# KiCad board IchnaeaV2.kicad_pcb (continued)
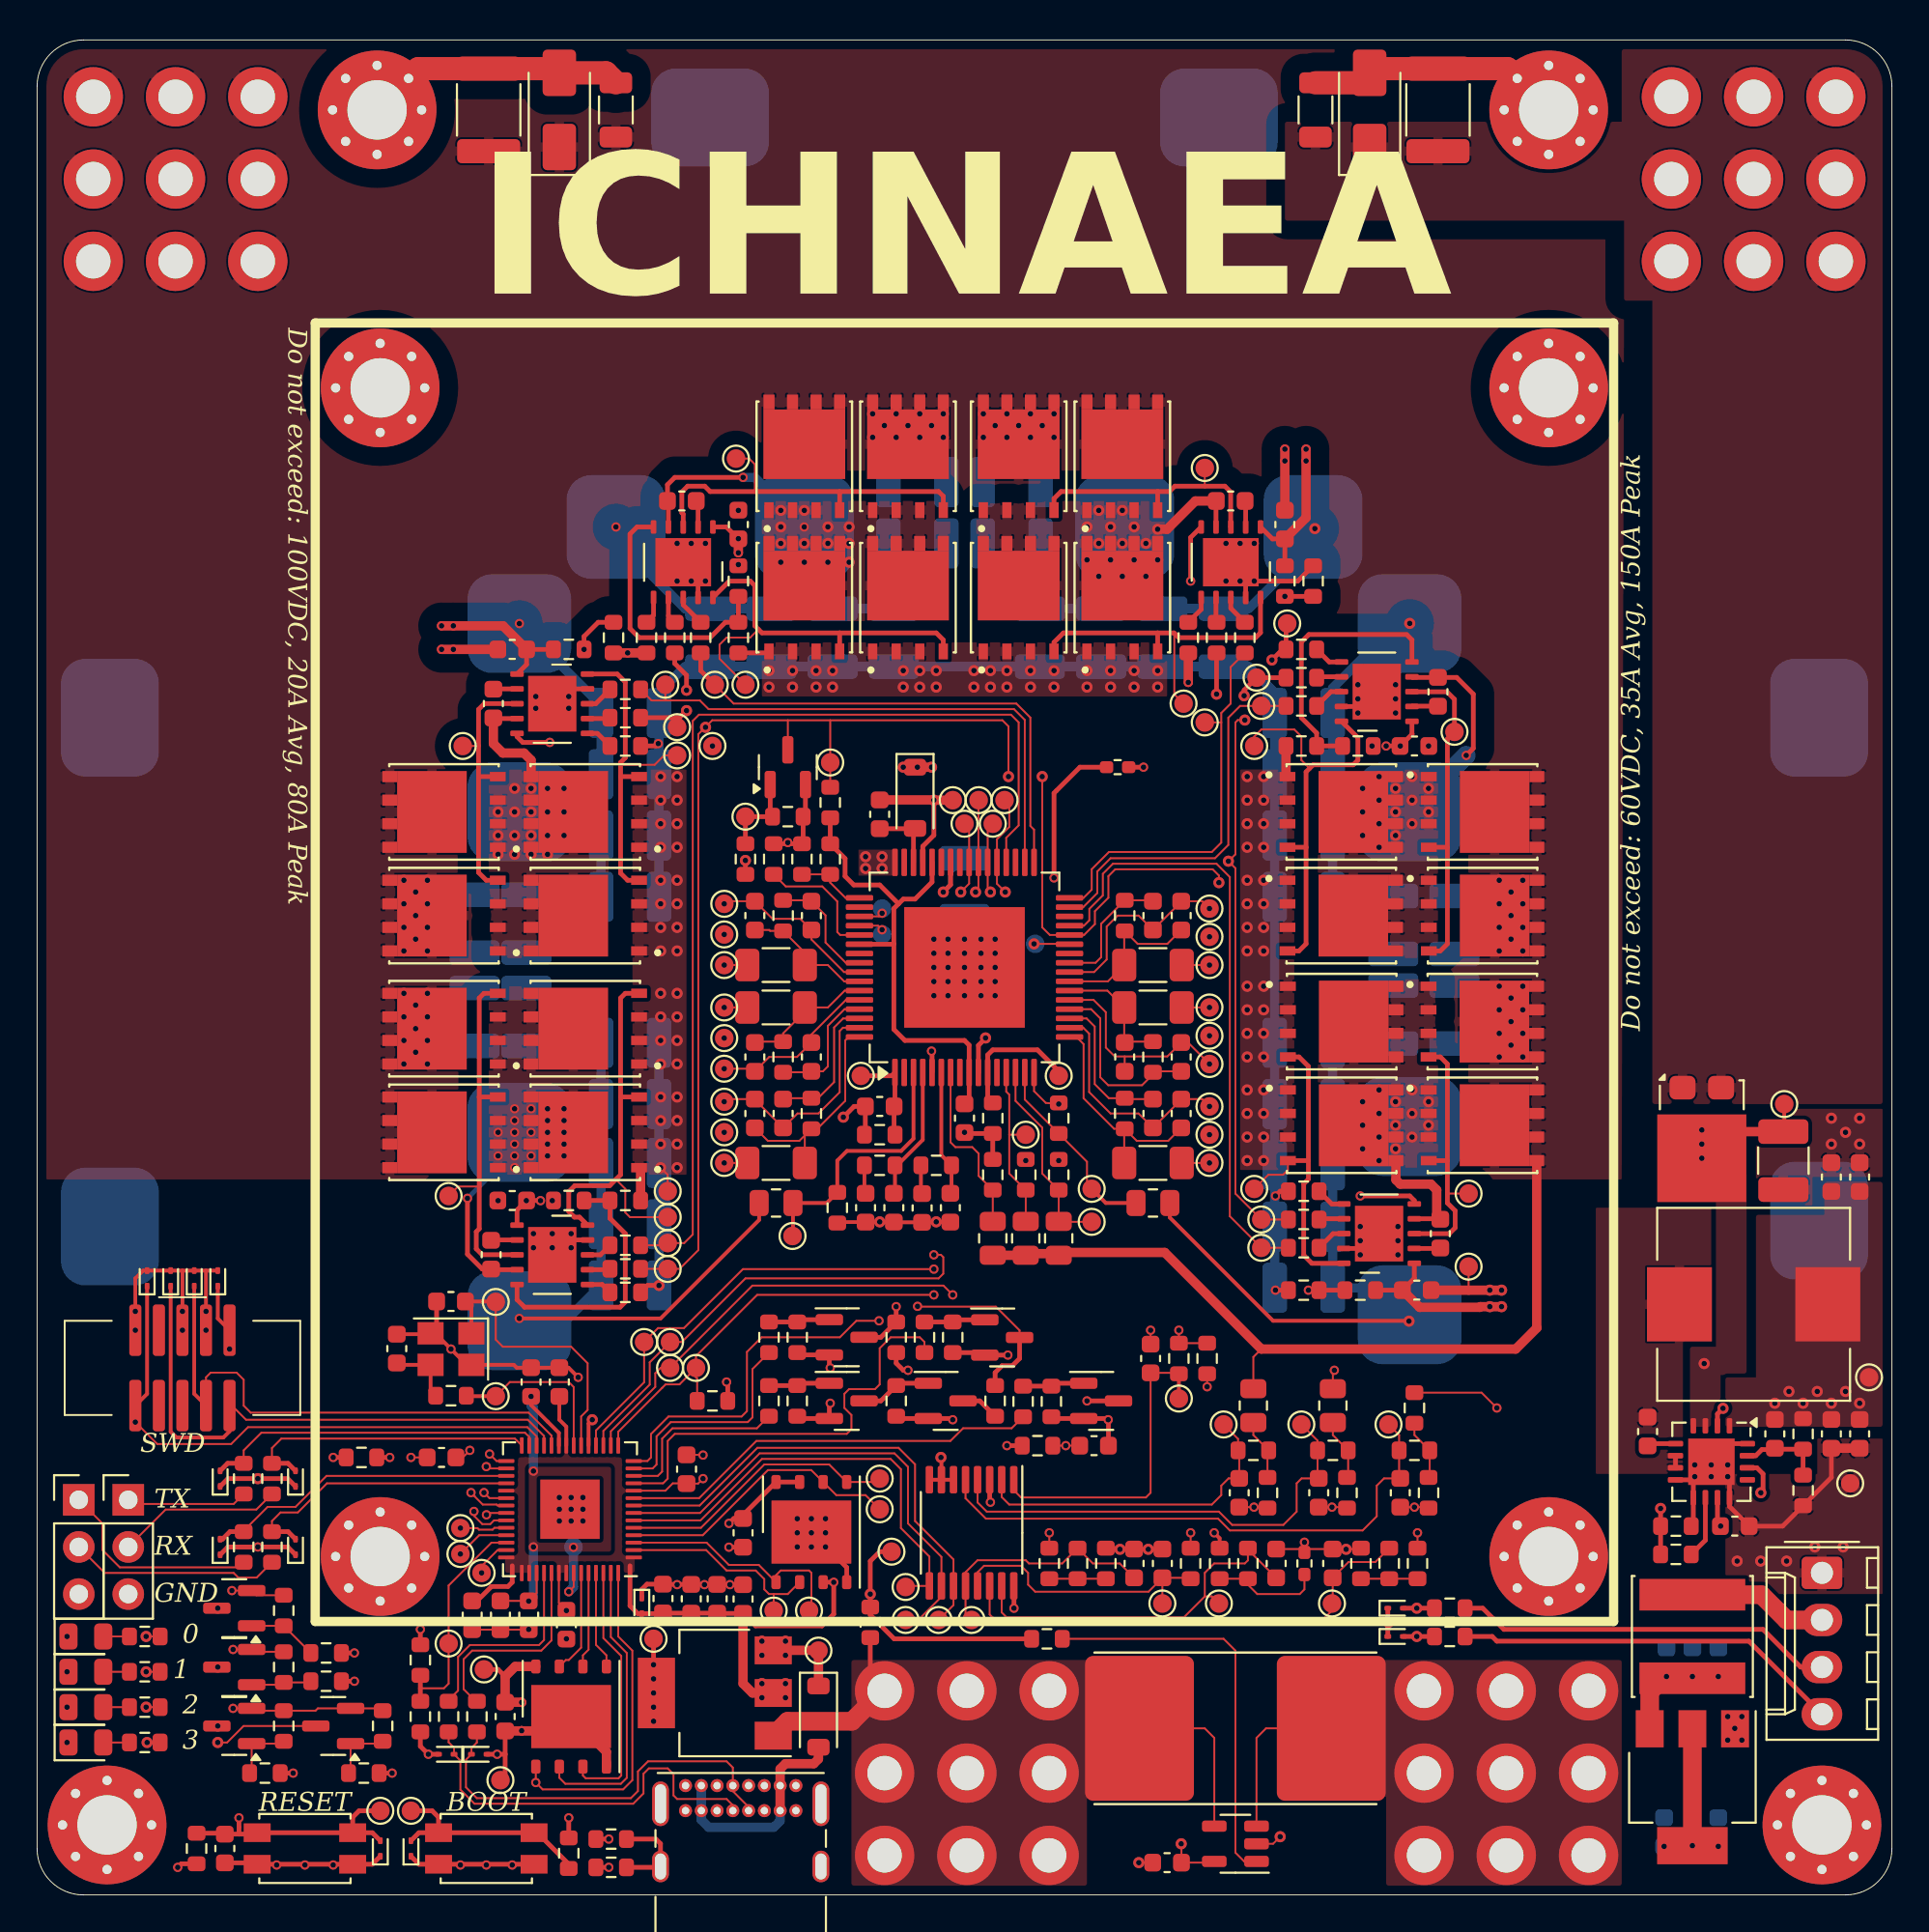
[diagram p0: board, top side]
## Routing (per net, layer and track width the routed paths; a pad name or vN(x,y) marks a point on that pad's centre or on a via; arc(x,y) is an arc through that point) (continued)
DRVcc: length 3.8
  Top w0.25: C1.1 47.32,57.48 D10.2 47.25,57.41 U1.46
FAN_CTL: length 79.1
  Top w0.1: U11.36 24.33,20.59 v2(24.23,20.49)
  Top w0.25: D14.2 v1(74.38,13.93) 75.34,13.93
  In1.Cu w0.1: v2(24.23,20.49) 25.32,19.39 25.32,3.39 26.5,2.21 32.44,2.21 32.98,2.76 43.14,2.76 44.62,4.23 69.89,4.23 71.97,6.31 71.97,13.68 72.22,13.93 v1(74.38,13.93)
FAN_SENSE: length 91.9
  Top w0.1: U11.37 24.63,20.19 24.43,19.99 24,19.99 23.58,20.41 23.58,20.64 v2(23.55,20.67)
  Top w0.25: R96.1 v2(15.96,23.58) ; D15.2 v1(74.38,15.46) 75.34,15.46
  In1.Cu w0.1: v1(74.38,15.46) 72.84,15.46 71.63,14.24 71.63,6.4 69.77,4.53 44.41,4.53 43.01,3.14 32.73,3.14 32.1,2.51 26.62,2.51 25.62,3.51 25.62,20.02 24.65,20.99 23.87,20.99 v2(23.55,20.67) 23.55,20.46
  In2.Cu w0.25: v2(23.55,20.67) 21.21,23.01 16.54,23.01 v2(15.96,23.58)
HV_DC_SENSE: length 18
  Top w0.1: TP91.1 64.75,24.58 R107.2 64.81,23.9 C99.1 64.24,22.45 63.84,22.06 63.84,21.55 63.34,21.04 52.41,21.04 52.01,21.45 U9.2
LED_STATUS_0: length 25.1
  Top w0.1: v2(24.39,23.77) 24.77,23.39 U11.29
  Top w0.25: R128.2 v2(17.11,13.04)
  In1.Cu w0.1: v2(17.11,13.04) 14.82,13.04 13.38,14.49 13.38,21.59 14.65,22.87 23.12,22.87 24.02,23.77 v2(24.39,23.77)
LED_STATUS_1: length 26.6
  Top w0.1: U11.30 24.32,22.99 v2(24.22,23.09)
  Top w0.25: R126.2 v2(17.11,11.52)
  In1.Cu w0.1: v2(17.11,11.52) 17.49,11.52 17.61,11.65 17.61,13.3 17.37,13.54 14.75,13.54 13.68,14.61 13.68,21.47 14.78,22.57 23.7,22.57 v2(24.22,23.09)
LED_STATUS_2: length 34.7
  Top w0.1: U11.34 24.39,21.39 v2(24.09,21.69)
  Top w0.25: R124.2 v2(13.81,6.57)
  In1.Cu w0.1: v2(24.09,21.69) 24.09,21.93 23.79,22.23 14.87,22.23 13.98,21.34 13.98,14.73 14.87,13.84 17.49,13.84 17.92,13.42 17.92,6.99 17.49,6.57 v2(13.81,6.57)
LED_STATUS_3: length 31
  Top w0.1: v2(23.39,21.69) 23.59,21.49 23.59,21.48 24.03,21.04 24.78,21.04 24.83,20.99 U11.35
  Top w0.25: R94.2 v2(19.14,6.57)
  In1.Cu w0.1: v2(23.39,21.69) 23.15,21.93 14.99,21.93 14.28,21.22 14.28,14.86 14.99,14.14 17.66,14.14 18.22,13.59 18.22,6.85 18.5,6.57 v2(19.14,6.57)
LTC_CCM: length 23.6
  Top w0.1: U11.11 33.75,22.19 34,22.44 34,24.47 34.38,24.85 43.65,24.85 43.9,25.11 43.9,25.87 43.52,26.25 43.52,27.01 43.78,27.27 45.17,27.27 45.43,27.52 45.43,29.47 46.02,30.06 47.59,30.06 47.84,29.81 R42.2
LTC_DCM: length 9.7
  Top w0.1: 39.46,25.81 38.81,25.15 34.25,25.15 33.7,24.6 33.7,22.82 33.47,22.59 U11.12
LTC_FB_HIGH: length 9.5
  Top w0.1: U1.7 49.25,40.57 49.51,40.31 50.42,40.31 50.76,39.97 50.76,38.76 R40.2 R39.2
LTC_FREQ: length 6.9
  Top w0.1: U1.53 43.3,51.75 43.14,51.91 43.14,53.56 42.33,54.37 40.36,54.37 R52.2
LTC_ILIM: length 3.9
  Top w0.1: R30.2 R29.1 42.76,54.57 43.58,53.75 U1.49
LTC_ITH_HIGH: length 6.8
  Top w0.2: 49.24,37.82 49.3,37.88 R47.2 48.75,39.88 U1.6
LTC_ITH_LOW: length 7.2
  Top w0.2: 46.19,37.82 46.25,37.88 R48.2 46.37,39.33 47.75,40.71 U1.4
LTC_OV_HIGH: length 9.4
  Top w0.1: U1.13 52.25,43.31 52.41,43.14 52.41,40.98 ; 52.41,40.98 52.41,38.89 R36.2 R33.2 ; 52.41,40.98 TP62.1
LTC_OV_LOW: length 10.5
  Top w0.1: TP60.1 56.6,38.32 56.6,39.52 R38.2 53.25,42.88 U1.15
  Top w0.2: R35.2 57.62,37.3 TP60.1
LTC_RUN: length 22.8
  Top w0.1: 53.16,25.78 52.54,25.16 49.92,25.16 49.24,24.47 38.78,24.47 35.69,21.39 U11.9
LTC_SETCUR: length 7.4
  Top w0.25: TP59.1 55.08,44.41 53.94,45.56 51.52,45.56 51.25,45.28 U1.11 51.25,42.97 R28.2
LTC_SS: length 5.3
  Top w0.25: TP58.1 46.07,44.16 U1.1 46.25,42.55 C66.1 46.2,41.03 R93.2
LTC_SYNC: length 12.3
  Top w0.1: U11.13 33.19,22.99 33.4,23.2 33.4,24.72 34.17,25.49 38.32,25.49 38.57,25.74 38.57,28.35 R49.2
LTC_UV_HIGH: length 10.9
  Top w0.1: TP61.1 55.14,36.28 55.08,36.22 R37.2 54.19,38.89 54.19,41.36 52.75,42.81 U1.14
LTC_VFB_LOW: length 14.3
  Top w0.2: U1.3 47.25,40.77 46.58,40.11 43.66,40.11 43.14,39.59 R32.2 42.57,37.3 R31.1 40.75,35.55 TP63.1
LV_DC_SENSE: length 25.3
  Top w0.1: U9.4 50.71,21.15 51.2,20.66 63.72,20.66 64.43,19.95 67.19,19.95 67.91,20.66 67.91,22.19 68.17,22.45 C98.1 69.03,22.52 R91.2 69.03,24.49 TP89.1
RUN: length 74.4
  Top w0.1: U11.26 26.93,24.71 26.43,25.22 11.37,25.22 10.46,24.31 6.48,24.31 v2(5.3,25.49) J4.6
  Top w0.2: J4.6 5.93,27.01 D2.1
  Top w0.25: TP73.1 17.36,4.53 17.02,4.19 SW2.2 ; 10.88,3.28 10.12,3.28 10.07,3.33 R89.1 ; 10.88,3.28 11.79,3.28 SW2.2 SW2.2 ; 10.88,3.28 v2(10.88,4.15) ; SW2.2 18.07,3.35 D17.2
  In1.Cu w0.25: v2(10.88,4.15) 12.28,4.15 12.92,4.79 12.92,24.6 12.03,25.49 v2(5.3,25.49)
SWCLK: length 29.7
  Top w0.1: J4.9 9.11,27.9 9.36,28.16 10.76,28.16 11.14,27.78 11.14,26.38 11.52,26 26.5,26 27.73,24.76 U11.24
  Top w0.2: D3.1 8.47,27.01 J4.9
SWDATA: length 31.3
  Top w0.1: 10.6,25.11 10.12,25.11 ; 27.33,24.23 27.33,24.74 26.45,25.62 11.27,25.62 10.5,26.38 J4.10
  Top w0.2: D21.1 7.2,24.97 7.51,24.66 10.04,24.66 10.38,24.99 J4.10
TEMP_SENSE_0: length 17.6
  Top w0.1: U9.1 52.66,21.82 53.05,21.43 59.78,21.43 60.03,21.68 C97.1 61.51,28.14 R88.2
  Top w0.2: TP85.1 R88.2
TEMP_SENSE_1: length 20.6
  Top w0.1: C96.1 65.28,18.62 R87.2 65.28,18.03 65.11,17.87 63.46,17.87 62.95,17.36 62.95,16.09 ; U9.15 52.01,15.23 52.28,14.96 61.82,14.96 62.95,16.09 ; 62.95,16.09 63.34,16.09 TP90.1
UART0_RX: length 16.1
  Top w0.1: R122.2 12.66,24.09 13.17,24.6 25.76,24.6 U11.28
  Top w0.25: D12.2 13.53,23.27 R122.2
UART0_TX: length 18.5
  Top w0.1: 26.53,24.23 26.53,24.69 26.31,24.91 12.09,24.91 11.14,23.97 R121.2
  Top w0.25: R121.2 10.27,23.27 D13.2
UART1_RX: length 15.5
  Top w0.1: U11.32 25.29,22.19 15.63,22.19 14.06,20.62 13.12,20.62 12.66,20.16 R101.2
  Top w0.25: R101.2 13.53,19.58 D11.2
UART1_TX: length 16.9
  Top w0.1: R100.2 11.14,19.63 12.43,20.92 13.93,20.92 15.61,22.59 U11.31
  Top w0.25: R100.2 10.4,19.58 9.99,19.18 D9.2
USB_D+: length 11.4
  Top w0.1: U11.47 27.73,13.72 27.18,13.17 23.46,13.17 23,12.71 23,11.09 23.65,10.44 R99.1
USB_D-: length 11.2
  Top w0.1: R98.1 22.19,10.5 22.69,11.01 22.69,12.83 23.33,13.47 27.06,13.47 27.33,13.74 27.33,17.35
VHIGH: length 43.4
  Top w0.1: R81.2 65.57,29 66,29.43
  Top w0.5: Q4.1 80.85,30.58 80.86,30.57 79.72,29.43 66,29.43 60.79,34.63 55.14,34.63 55.08,34.57 53.39,34.57 R33.1 R39.1
  vias: v1(19.77,54.7) v1(19.77,53.43) v1(19.77,52.16) v1(19.77,50.89) v1(19.77,48.6) v1(19.77,47.33) v1(19.77,46.06) v1(19.77,44.79) v1(20.41,54.06) v1(20.41,52.79) v1(20.41,51.52) v1(20.41,47.97) v1(20.41,46.7) v1(20.41,45.43) v1(21.04,54.7) v1(21.04,53.43) v1(21.04,52.16) v1(21.04,50.89) v1(21.04,48.6) v1(21.04,47.33) v1(21.04,46.06) v1(21.04,44.79) v1(44.67,55.97) v1(44.67,55.33) v1(45.05,79.84) v1(45.05,78.58) v1(45.56,55.97) v1(45.56,55.33) v1(45.68,79.21) v1(46.32,79.84) v1(46.32,78.58) v1(46.95,79.21) v1(47.59,79.84) v1(47.59,78.58) v1(48.22,79.21) v1(48.86,79.84) v1(48.86,78.58) v1(51.02,79.84) v1(51.02,78.58) v1(51.65,79.21) v1(52.29,79.84) v1(52.29,78.58) v1(52.92,79.21) v1(53.56,79.84) v1(53.56,78.58) v1(54.19,79.21) v1(54.83,79.84) v1(54.83,78.58) v1(78.83,54.7) v1(78.83,53.43) v1(78.83,52.16) v1(78.83,50.89) v1(78.83,48.98) v1(78.83,47.71) v1(78.83,46.44) v1(78.83,45.17) v1(79.46,54.06) v1(79.46,52.79) v1(79.46,51.52) v1(79.46,48.35) v1(79.46,47.08) v1(79.46,45.81) v1(80.1,54.7) v1(80.1,53.43) v1(80.1,52.16) v1(80.1,50.89) v1(80.1,48.98) v1(80.1,47.71) v1(80.1,46.44) v1(80.1,45.17)
VLOW: length 366.4
  Top w0.1: v1(37.05,53.43) 37.19,53.57 C27.1 39.65,52.62 41.15,52.62 41.75,52.02 41.75,51.51 43.51,49.75 U1.57 ; C15.1 58.64,45.2 ; 58.64,45.2 58.1,45.2 57.62,45.68 57.62,47.59 56.96,48.25 U1.21 ; 58.64,45.2 60.93,45.2 61.68,45.95 62.05,45.95 v1(63.21,44.79) ; v1(37.05,42.76) 37.19,42.9 38.67,42.9 C40.1 41,42.13 42.13,42.13 43.27,43.27 43.27,46.57 43.45,46.75 U1.63 ; 61.68,42.9 61.68,42.88 C10.1 59.38,42.13 57.87,42.13 56.72,43.28 56.72,46.43 56.4,46.75 U1.18 ; 61.68,42.9 61.68,42.89 ; 61.68,42.9 62.81,42.9 v1(63.21,42.51) ; R78.2 69.86,28.2 v2(69.94,28.28) ; v1(63.21,53.17) 62.81,53.57 C21.1 61.68,53.54 60.16,52.02 59.38,52.79 58.25,52.79 57.67,52.2 57.67,50.43 56.99,49.75 U1.24 ; U1.60 43.61,48.25 41.75,46.39 41.75,45.95 40.97,45.17 39.47,45.17 38.84,44.54 v1(37.05,44.54)
  Top w0.2: R31.2 38.93,36.39 33.62,31.08 v2(26,31.08) ; v1(73.96,30.93) 73.94,30.95 66.64,30.95 61.07,36.51 R35.1
  In2.Cu w0.1: v2(31.21,73.75) 33.37,73.75 34.01,73.11 34.01,70.62 34.3,70.33 35.64,70.33 37.05,68.92 v1(37.05,53.43) ; v1(63.21,44.79) 62.57,45.43 62.57,48.09 63.84,49.36 63.84,53.43 63.17,54.11 63.17,60.8 64.94,62.57 69.81,62.57 70.45,63.21 70.45,68.16 70.83,68.55 v1(74,68.55) ; v2(26,68.54) 26,68.53 26,62.32 26.89,61.43 35.65,61.43 36.28,60.8 36.28,49.79 37.68,48.39 37.68,45.17 v1(37.05,44.54) ; v2(26,31.08) 26,34 26.39,34.39 29,34.39 29.43,34.81 29.43,35.27 29.93,35.78 35.9,35.78 37.68,37.55 37.68,42.13 v1(37.05,42.76) ; v1(73.96,30.93) 72.88,30.93 72.35,31.46 72.35,38.32 71.97,38.7 64.1,38.7 63.76,39.04 63.76,41.96 v1(63.21,42.51) ; v1(63.21,53.17) 62.06,53.17 61.68,53.56 61.68,65.04 61.56,65.16 61.56,71.47 62.32,72.22 67.46,72.22 v1(68.89,73.66)
  Bottom w0.5: L3.1 68.79,72.81 65.32,69.34 C62.1 C56.1 C50.1 C44.1 ; C63.1 C51.1 C45.1 C57.1 34.93,69.34 31.21,73.07 v2(31.21,73.75) ; v2(26,68.54) 30.4,64.13 C64.1 C46.1 C35.1 C58.1 ; L2.2 73.32,68.54 69.85,65.07 C17.1 C61.1 C55.1 C43.1 ; L6.2 28.5,30.95 C47.1 C41.1 C65.1 C59.1 C53.1 ; 74,31.28 72.55,32.73 C60.1 C54.1 C48.1 C42.1 C11.1
Net-(C52-Pad2): length 3.6
  Top w0.2: R95.1 21.21,27.19 Y1.3 19.49,28.58 C52.2
Net-(C69-Pad1): length 1.6
  Top w0.2: R47.1 47.65,37.87 C69.1
Net-(C70-Pad1): length 1.5
  Top w0.2: R48.1 44.6,37.88 44.67,37.82
Net-(C76-Pad2): length 0.7
  Top w0.25: U8.7 U8.6
Net-(D4-A): length 12.1
  Top w0.5: D4.2 42.13,7.33 41.87,7.07 40.35,7.07 40.06,6.79 P1.A9 P1.B4
  Bottom w0.5: P1.B4 40.06,3.99 39.71,3.65 36.21,3.65 35.81,4.05 P1.B9 P1.A4
Net-(D5-A): length 1.4
  Top w0.1: D5.2 R102.2
Net-(D5-K): length 10.4
  In1.Cu w0.1: v1(1.61,13.93) 2.38,13.17 9.11,13.17 9.74,13.81 v1(9.74,15.46)
Net-(D6-A): length 1.4
  Top w0.1: D6.2 R103.2
Net-(D6-K): length 8.7
  In1.Cu w0.1: v1(9.74,12.28) 8.94,11.48 2.16,11.48 v1(1.61,12.03)
Net-(D7-A): length 1.4
  Top w0.1: D7.2 R104.2
Net-(D7-K): length 8.5
  In1.Cu w0.1: v1(9.74,9.11) 2.63,9.11 v1(1.61,10.12)
Net-(D8-A): length 1.4
  Top w0.1: D8.2 R105.2
Net-(D8-K): length 14.2
  Top w0.1: Q34.3 11.13,9.11 10.24,8.22 v1(9.74,8.22)
  In1.Cu w0.1: v1(1.61,8.22) 2.16,7.67 9.19,7.67 v1(9.74,8.22)
Net-(D16-A2): length 12.1
  Top w0.25: SW1.2 21.64,4.19 21.3,4.53 TP74.1 ; SW1.2 20.58,3.35 D16.2 ; SW1.2 SW1.2 26.97,3.35 28.66,1.66 R84.1
Net-(D19-A1): length 23.3
  Top w0.1: P1.B7 37.51,4.83 37.17,5.17 34.51,5.17 34.31,5.37 34.31,6.51 34,6.82 32.98,6.82 32.69,6.53 32.69,5.47 32.14,4.91 23.58,4.91 22.82,5.68 22.82,7.24 D19.1 22.48,7.93 22.19,8.23 22.19,8.79
  In1.Cu w0.1: P1.B7 37.51,4.74 38.36,5.59 P1.A7
Net-(D20-A1): length 22.1
  Top w0.1: P1.B6 38.36,4.74 37.51,5.59 P1.A6 37.51,6.86 37.17,7.2 32.94,7.2 32.39,6.66 32.39,5.6 32.01,5.22 23.71,5.22 23.12,5.8 23.12,7.29 D20.1 23.42,7.92 23.71,8.22 23.71,8.79
Net-(J5-Pin_3): length 20.6
  Top w0.25: J5.3 95.08,12.28 93.05,14.31 79.08,14.31 77.94,15.46 R123.2
Net-(J5-Pin_4): length 21
  Top w0.25: J5.4 92.29,13.68 78.7,13.68 78.45,13.93 R97.1
Net-(J6-Pin_1): length 11.3
  Top w0.1: 11.14,17.93 10.86,17.66 4.46,17.66 3.52,18.6 3.52,20.03 J6.1
Net-(J6-Pin_2): length 11.4
  Top w0.1: 12.66,17.93 11.84,17.11 10.85,17.11 10.6,17.36 3.65,17.36 J6.2
Net-(J7-Pin_1): length 6.5
  Top w0.1: R121.1 10.6,21.07 5.14,21.07 J7.1
Net-(J7-Pin_2): length 8.9
  Top w0.1: J7.2 6.93,20.78 11.82,20.78 R122.1
Net-(P1-CC1): length 10.1
  Top w0.25: R92.2 v2(30.82,3.01)
  In2.Cu w0.25: P1.A5 36.66,6.32 36.28,6.69 33.36,6.69 32.73,6.06 32.73,3.65 32.09,3.01 v2(30.82,3.01)
Net-(P1-CC2): length 10.9
  Top w0.25: R90.2 v2(30.82,1.49)
  In2.Cu w0.25: P1.B5 39.21,3.52 38.82,3.14 33.11,3.14 31.46,1.49 v2(30.82,1.49)
Net-(Q1-G): length 4.5
  Top w0.25: R3.1 38.19,57.75 38.57,58.13 R2.2 39.53,58.25 Q1.1
Net-(Q2-G): length 14.7
  Top w0.1: TP9.1 76.03,37.81
  Top w0.25: 76.03,39.59 76.03,44.79 75.65,45.17 Q2.2 ; 76.03,39.59 Q4.2 ; 76.03,39.59 76.03,37.3 76.45,36.88 76.45,35.96 76.14,35.65 U2.3
Net-(Q2-S): length 21.3
  Top w0.1: R6.1 v1(63.21,39.46)
  Top w0.25: U2.4 75.63,36.45 C8.2
  Top w0.5: Q5.1 73.26,38.55 73.5,38.32 75.15,38.32 75.46,38 75.46,36.62 C8.2
  In2.Cu w0.1: v1(71.46,41.49) 70.19,42.76 64.1,42.76 63.8,43.06 62.87,43.06 62.57,42.76 62.57,40.09 v1(63.21,39.46)
  vias: v1(71.46,42.76) v1(71.46,40.22) v1(72.35,43.4) v1(72.35,42.13) v1(72.35,40.86) v1(72.35,39.59) v1(73.24,42.76) v1(73.24,41.49) v1(73.24,40.22) v1(74.13,43.4) v1(74.13,42.13) v1(74.13,40.86) v1(75.02,42.76) v1(75.02,41.49)
Net-(Q3-G): length 17.8
  Top w0.1: TP8.1 66.38,38.82 67.18,38.82 67.44,39.08 Q5.2
  Top w0.25: 68.54,39.59 68.54,44.67 68.03,45.17 Q3.2 ; 68.54,39.59 Q5.2 ; 68.54,39.59 68.54,38.59 68.29,38.33 68.29,34.49 68.73,34.05 U2.10
Net-(Q6-G): length 18
  Top w0.25: Q6.2 75.65,50.89 76.03,51.27 76.03,56.48 ; 76.03,56.48 76.03,62.32 TP22.1 76.42,64.45 76.01,64.86 74.13,64.86 U3.3 ; 76.03,56.48 Q8.2
Net-(Q6-S): length 40.5
  Top w0.1: R10.1 v1(63.21,47.84)
  Top w0.25: v2(77.05,61.43) 77.43,61.81 77.43,64.73 76.53,65.63 C14.2 74.16,65.63 U3.4
  In2.Cu w0.1: v1(71.46,59.65) 71.46,60.54 69.81,62.19 64.99,62.19 64.6,61.81 64.6,56.13 64.78,55.95 64.78,55.5 64.6,55.33 64.6,49.62 63.21,48.22 v1(63.21,47.84)
  Bottom w1: L2.1 v1(74.13,57.75) v1(73.24,58.38) 74.13,58.52 v1(74.13,59.02) v1(75.02,58.38) 74.63,59.02 75.02,59.41 v1(75.02,59.65) 75.26,59.65 77.04,61.43 v2(77.05,61.43)
  vias: v1(71.46,58.38) v1(71.46,57.11) v1(72.35,60.29) v1(72.35,59.02) v1(72.35,57.75) v1(72.35,56.48) v1(73.24,59.65) v1(73.24,57.11) v1(74.13,60.29)
Net-(Q7-G): length 22.2
  Top w0.1: 68.61,60.73 68.16,61.18 68.16,62.45 67.78,62.83 66,62.83 65.62,62.45 TP21.1
  Top w0.25: Q7.2 68.03,50.89 68.41,51.27 68.41,56.48 ; 68.41,56.48 68.41,60.54 68.8,60.92 70.96,60.92 71.21,61.18 71.21,62.38 U3.10 ; 68.41,56.48 Q9.2
Net-(Q10-G): length 14.4
  Top w0.1: TP25.1 62.95,75.95
  Top w0.25: 60.41,75.65 55.21,75.65 54.83,75.27 Q10.2 ; 60.41,75.65 Q12.2 ; 60.41,75.65 61.05,75.65 61.34,75.95 64.04,75.95 64.35,75.63 64.35,73.75 U4.3
Net-(Q10-S): length 31.9
  Top w0.1: R14.1 v1(63.21,50.13)
  Top w0.25: U4.4 63.56,75.13 C20.2
  Top w0.5: v1(60.41,73.62) 60.92,73.62 62.45,75.15 C20.2
  In2.Cu w0.1: 60.67,73.75 v1(60.41,73.62) 60.92,73.62 61.26,73.28 61.26,52.07 v1(63.21,50.13)
  vias: v1(56.6,73.75) v1(56.6,71.97) v1(57.24,74.64) v1(57.24,72.86) v1(57.24,71.08) v1(57.87,73.75) v1(57.87,71.97) v1(58.51,74.64) v1(58.51,72.86) v1(58.51,71.08) v1(59.14,73.75) v1(59.14,71.97) v1(59.78,72.86) v1(59.78,71.08) v1(60.41,71.97)
Net-(Q11-G): length 18.9
  Top w0.1: TP24.1 61.31,64.72 61.31,67.92 61.36,67.97
  Top w0.25: U4.10 65.96,68.05 65.69,67.78 61.55,67.78 61.29,68.03 60.41,68.03 ; 60.41,68.03 55.33,68.03 54.83,67.53 Q13.2 ; 60.41,68.03 Q11.2
Net-(Q14-G): length 20.7
  Top w0.1: TP27.1 38.39,77.43 38.7,77.12 38.7,75.65
  Top w0.25: Q14.2 48.86,75.4 48.6,75.65 43.27,75.65 ; U5.3 34.84,74.44 34.76,74.51 34.76,75.63 35.08,75.95 35.99,75.95 36.29,75.65 43.27,75.65 ; 43.27,75.65 Q16.2
Net-(Q14-S): length 37.7
  Top w0.1: v1(37.05,50.13) R18.1
  Top w0.25: v2(38.06,76.42) 34.38,76.42 33.99,76.02 33.99,75.15 34.04,75.09 U5.4
  In2.Cu w0.1: v1(40.09,73.75) 39.71,73.75 39.21,73.24 39.21,70.83 37.35,68.97 37.35,53.95 37.6,53.7 37.6,50.68 v1(37.05,50.13)
  Bottom w0.5: v2(41.36,73.75) 40.47,74.64 v1(40.09,74.64) 40.09,75.01 38.69,76.42 v2(38.06,76.42)
  vias: v1(40.09,72.86) v1(40.09,71.84) v1(41.36,74.64) v1(41.36,72.86) v1(41.36,71.84) v1(42.63,73.75) v1(42.63,72.86) v1(42.63,71.84) v1(43.78,73.75) v1(43.78,72.86) v1(43.78,71.84)
Net-(Q15-G): length 22.2
  Top w0.1: 38.89,68.22 38.44,67.78 37.17,67.78 36.79,67.4 36.79,66.64 TP28.1
  Top w0.25: Q15.2 43.27,68.03 ; 43.27,68.03 48.48,68.03 48.86,67.65 Q17.2 ; 43.27,68.03 39.08,68.03 38.7,68.42 38.7,70.58 38.45,70.83 37.32,70.83 U5.10
Net-(Q18-G): length 14.1
  Top w0.1: TP33.1 23.8,61.94
  Top w0.25: Q18.2 23.8,60.29 ; 23.8,60.29 23.8,63.91 24.12,64.22 25.87,64.22 U6.3 ; 23.8,60.29 23.8,55.12 24.22,54.7 Q20.2
Net-(Q18-S): length 31.9
  Top w0.1: v1(37.05,47.84) R22.1
  Top w0.25: C32.2 24.63,63.42 U6.4
  Top w0.5: Q21.1 26.63,61.18 26.25,61.56 25.11,61.56 24.6,62.06 C32.2
  In2.Cu w0.1: v1(25.74,59.65) 25.74,60.67 26.12,61.05 35.4,61.05 35.9,60.54 35.9,49.75 37.05,48.6 v1(37.05,47.84)
  Bottom w0.1: 25.24,56.35 25.23,56.35 ; 25.24,57.62 25.23,57.62
  vias: v1(24.85,58.38) v1(24.85,57.11) v1(24.85,56.1) v1(25.74,58.38) v1(25.74,57.11) v1(25.74,56.1) v1(26.63,59.65) v1(26.63,58.38) v1(26.63,57.11) v1(26.63,56.1) v1(27.52,59.65) v1(27.52,58.38) v1(27.52,57.11) v1(27.52,56.1) v1(28.41,59.65) v1(28.41,58.38) v1(28.41,57.11)
Net-(Q19-G): length 18
  Top w0.1: TP34.1 33.8,61.43 33.29,60.92 31.46,60.92
  Top w0.25: 31.46,60.29 31.46,55.08 31.84,54.7 32.46,54.7 ; 31.46,60.29 31.46,61.05 31.71,61.3 31.71,65.38 31.28,65.82 U6.10 ; 31.46,60.29 32.46,60.29
Net-(Q22-G): length 19.9
  Top w0.1: TP36.1 22.69,38.19 23.84,38.19
  Top w0.25: Q22.2 24.09,48.6 23.84,48.35 23.84,43.02 ; 23.84,43.02 23.84,35.91 23.68,35.75 23.68,34.83 23.99,34.51 25.87,34.51 U7.3 ; 23.84,43.02 Q24.2
Net-(Q22-S): length 28.9
  Top w0.1: v1(37.05,39.46) R26.1
  Top w0.25: U7.4 24.51,33.71 24.48,33.74 24,33.74 23.2,34.54 v2(23.2,37.55)
  In2.Cu w0.1: v1(37.05,39.46) 37.05,37.55 35.57,36.08 30.02,36.08 29.3,36.79 29.3,38.95 29.05,39.2 v2(25.74,39.2)
  Bottom w0.25: L6.1 v2(25.74,41.11) 26,40.86 25.74,40.6 v2(25.74,40.47) 25.62,40.47 24.98,39.84 v2(24.85,39.84) 24.85,39.2 v2(23.2,37.55)
  vias: v2(24.85,41.11) v2(25.74,42.38) v2(25.74,41.75) v2(25.74,39.84) v2(26.63,42.38) v2(26.63,41.11) v2(26.63,39.84) v2(27.52,42.38) v2(27.52,41.75) v2(27.52,41.11) v2(27.52,40.47) v2(27.52,39.84) v2(28.41,42.38) v2(28.41,41.75) v2(28.41,41.11) v2(28.41,40.47) v2(28.41,39.84)
Net-(Q23-G): length 21.6
  Top w0.1: TP35.1 31.97,36.54 31.71,36.79 31.71,38.06 31.2,38.57
  Top w0.25: 32.46,48.6 31.71,48.6 31.46,48.35 31.46,43.02 ; 31.46,43.02 31.46,38.82 30.87,38.23 28.99,38.23 28.66,37.91 28.66,36.84 28.97,36.54 29.24,36.54 U7.10 ; 31.46,43.02 32.46,43.02
Net-(Q26-D): length 3.9
  Top w0.25: Q26.3 45.49,26.63 46.44,27.58 Q27.1
Net-(Q26-G): length 3.3
  Top w0.25: Q26.1 41.11,27.58 40.98,27.46 39.46,27.46
Net-(Q27-D): length 2.1
  Top w0.25: Q27.3 50.83,26.63 51.65,25.81
Net-(Q28-G): length 3.3
  Top w0.25: R42.1 R45.2 49.48,31 Q28.1
Net-(Q29-G): length 3.3
  Top w0.25: Q29.1 41.11,31.01 R50.2 R49.1
Net-(Q30-G): length 3.3
  Top w0.25: R83.1 R86.2 54.84,27.58 Q30.1
Net-(Q31-G): length 3.8
  Top w0.1: R128.1 R129.2 13.3,14.51 Q31.1
Net-(Q32-G): length 3.3
  Top w0.1: R126.1 14.69,11.46 R127.2 13.17,11.33 Q32.1
Net-(Q33-G): length 3.4
  Top w0.1: R125.2 13.17,8.16 Q33.1 11.57,6.68 R124.1
Net-(Q34-G): length 3.4
  Top w0.1: R94.1 16.9,6.68 Q34.1 18.51,8.16 R106.2
Net-(R77-Pad1): length 44.8
  Top w0.1: R77.1 R88.1 v2(61.56,30.44)
  Top w0.25: v2(54.83,54.83) 54.83,59.4 56.22,60.8 TH1.1
  In2.Cu w0.1: v2(61.56,30.44) 61.56,29.43 61.05,28.92 54.57,28.92 54.19,29.3 54.19,39 54.11,39.08 54.15,39.12 54.15,50.47 54.11,50.51 54.83,51.22 v2(54.83,54.83)
Net-(R78-Pad1): length 3.3
  Top w0.1: R79.2 70.68,22.57 R91.1 69.86,24.79 R78.1
Net-(R80-Pad1): length 6
  Top w0.1: R80.1 R87.1 65.28,16.73 65.79,16.22 68.07,16.22 68.33,16.47 TH2.1
Net-(R107-Pad1): length 3.3
  Top w0.1: R82.2 66.34,23.9 R107.1 65.57,24.79 R81.1
Net-(R108-Pad1): length 3
  Top w0.1: R110.2 R108.1 R109.1
Net-(R111-Pad1): length 3
  Top w0.1: R112.2 R113.1 R111.1
Net-(R114-Pad2): length 3.3
  Top w0.1: R114.2 74.26,24.79 R117.1 75.08,22.57 R115.2
Net-(R131-Pad2): length 21.8
  Top w0.1: U15.1 65.08,1.81 64.6,2.28 64.6,13.17 63.97,13.81 R131.2
Net-(U2-EN): length 1.4
  Top w0.25: U2.7 69.15,36.45 R4.1
Net-(U2-HB): length 1.4
  Top w0.25: C8.1 75.63,34.85 U2.2
Net-(U2-PWM): length 1.7
  Top w0.25: U2.8 69.88,35.65 R74.1
Net-(U2-RDT): length 1.6
  Top w0.25: R5.2 69.8,37.25 U2.6
Net-(U2-VREF): length 12.6
  Top w0.25: U2.5 74.25,37.43 74,37.68 v2(71.34,37.68) ; v2(68.54,32.6) R76.1 R75.2
  In2.Cu w0.25: v2(68.54,32.6) 70.19,32.6 70.57,32.98 70.57,37.3 70.96,37.68 v2(71.34,37.68)
Net-(U3-EN): length 1.4
  Top w0.25: U3.7 69.03,65.67 R8.1
Net-(U3-HB): length 1.4
  Top w0.25: C14.1 74.14,64.08 U3.2
Net-(U3-PWM): length 1.7
  Top w0.25: R71.1 69.76,64.87 U3.8
Net-(U3-RDT): length 1.6
  Top w0.25: U3.6 69.66,66.47 R9.2
Net-(U3-VREF): length 14.8
  Top w0.25: U3.5 74.12,67.66 73.84,67.94 68.56,67.94 68.16,67.54 68.16,63.46 68.99,62.64 R73.1 R72.2
Net-(U4-EN): length 1.4
  Top w0.25: R12.1 63.56,68.64 U4.7
Net-(U4-HB): length 1.4
  Top w0.25: C20.1 65.16,75.11 U4.2
Net-(U4-PWM): length 1.7
  Top w0.25: U4.8 64.36,69.36 R68.1
Net-(U4-RDT): length 1.6
  Top w0.25: U4.6 62.76,69.3 R13.2
Net-(U4-VREF): length 10.1
  Top w0.25: v2(62.19,70.83) 62.19,73.18 U4.5 ; R70.1 v2(67.27,70)
  In2.Cu w0.25: v2(67.27,70) 63.02,70 v2(62.19,70.83)
Net-(U5-EN): length 1.5
  Top w0.25: U5.7 34.04,68.95 R16.1
Net-(U5-HB): length 1.4
  Top w0.25: C26.1 35.64,75.05 U5.2
Net-(U5-PWM): length 1.7
  Top w0.25: R20.1 34.84,69.55 U5.8
Net-(U5-RDT): length 1.5
  Top w0.25: R17.2 33.24,68.99 U5.6
Net-(U5-VREF): length 14.3
  Top w0.25: U5.5 32.34,73.74 31.97,73.37 31.97,68.27 32.46,67.78 36.28,67.78 37.11,68.61 R67.1 R66.2
Net-(U6-EN): length 1.2
  Top w0.25: U6.7 30.84,63.42 R62.1
Net-(U6-HB): length 1.3
  Top w0.25: C32.1 24.62,65.02 U6.2
Net-(U6-PWM): length 1.5
  Top w0.25: R63.1 30.12,64.22 U6.8
Net-(U6-RDT): length 1.5
  Top w0.25: U6.6 30.21,62.62 R21.2
Net-(U6-VREF): length 11.2
  Top w0.25: U6.5 25.88,62.44 26.18,62.13 v2(27.64,62.13) ; R65.1 30.25,68.61 29.49,67.84 v2(29.49,67.14)
  In2.Cu w0.25: v2(27.64,62.13) 28.98,62.13 29.49,62.64 v2(29.49,67.14)
Net-(U7-EN): length 1.2
  Top w0.25: U7.7 30.84,33.71 R56.1
Net-(U7-HB): length 1.4
  Top w0.25: U7.2 24.5,35.31 C38.1
Net-(U7-PWM): length 1.4
  Top w0.25: R54.1 30.37,34.51 U7.8
Net-(U7-RDT): length 1.4
  Top w0.25: R25.2 30.46,32.91 U7.6
Net-(U7-VREF): length 14.1
  Top w0.25: R61.2 R24.1 30.89,36.47 31.71,35.65 31.71,31.97 31.43,31.68 26.28,31.68 25.88,32.09 U7.5
Net-(U8-BOOST): length 1.6
  Top w0.25: C76.1 86.96,24.21 87.08,24.33 U8.5
Net-(U8-EN): length 3.4
  Top w0.25: R58.2 89.94,19.12 U8.10
Net-(U8-FB): length 4.6
  Top w0.25: R59.1 95.21,24.03 93.74,24.03 C77.1 93.62,24.01 92.99,24.01 92.66,23.68 U8.15
Net-(U10-CLK): length 5.2
  Top w0.1: U11.52 29.73,13.22 29.43,12.92 U10.6
Net-(U10-DI(IO0)): length 5.3
  Top w0.1: U11.53 30.13,13.48 30.7,12.92 U10.5
Net-(U10-DO(IO1)): length 15.9
  Top w0.1: U11.55 30.93,13.9 31.79,13.04 31.79,6.31 31.47,5.99 28.48,5.99 28.16,6.31 U10.2
Net-(U10-IO2): length 14
  Top w0.1: 30.53,17.35 30.53,13.84 31.49,12.88 31.49,6.43 31.35,6.29 29.58,6.29 29.43,6.44 U10.3
Net-(U10-IO3): length 5.6
  Top w0.1: 29.33,17.35 29.33,13.33 28.66,12.66 28.5,12.66 U10.7
Net-(U11-XIN): length 15.6
  Top w0.1: 29.33,24.23 29.33,25.79 29.68,26.14 29.68,28.66 28.79,29.55 25.11,29.55 24.73,29.93 TP75.1
  Top w0.2: Y1.1 23.41,31.67 C49.2 24.7,31.99 TP75.1
Net-(U11-XOUT): length 9.4
  Top w0.1: TP76.1 25.49,27.65 28.66,27.65 28.93,27.38 U11.21
  Top w0.2: R95.2 23.16,26.89 TP76.1
Net-(U12-VI): length 4.8
  Top w1: 86.94,8.95 86.94,10.95 87.67,11.68 87.75,11.68 v1(87.85,11.77) 87.94,11.68 v1(89.24,11.77) L8.2
  vias: v1(90.64,11.77)

## Copper pours and planes (outline as drawn; the poured copper is in the pictures)
+1V1 on Top: 26.5,23.08 26.5,18.5 30.95,18.5 30.95,23.08
+3.3V on Top: 25.23,17.36 32.22,17.36 32.22,24.22 25.23,24.22
+3.3V on In2.Cu: 43.14,-0.04 43.14,11.9 38.32,11.9 38.32,16.22 45.56,16.22 45.56,30.19 -0.04,30.19 0,0
+5V on In2.Cu: 38.82,12.41 38.82,15.71 46.19,15.71 46.19,28.66 77.94,28.66 77.94,14.69 92.42,14.69 92.42,-0.16 56.6,-0.04 56.6,13.17 43.4,13.17 43.4,12.41
+12V on Top: 92.67,36.67 96.35,36.67 96.35,38.44 99.53,38.44 99.53,25.24 91.02,25.24 91.02,27.9 92.67,27.9
+12V on In2.Cu: 77.94,22.06 77.94,65.75 67.02,76.67 48.48,76.67 48.48,60.16 44.41,60.16 44.41,77.43 34.25,77.43 22.06,65.75 21.93,35.9 14.82,35.9 14.95,85.05 85.05,85.05 85.05,39.46 99.91,39.46 99.91,14.31 85.43,14.31 85.43,22.06
GND on Top: 91.02,22.69 91.02,16.22 100.04,16.22 100.04,24.6 95.97,24.6 95.97,22.69
GND on Top: 92.67,37.17 92.67,42.38 99.78,42.38 99.78,38.7 95.72,38.7 95.72,37.17
GND on Top: 32.09,38.82 32.09,60.67 35.01,60.67 35.01,38.82
GND on Top: 62.19,12.66 43.9,12.66 43.9,-0.04 56.6,-0.04 56.6,5.3 62.19,5.3
GND on Top: 39.08,67.53 60.92,67.53 60.92,64.61 39.08,64.61
GND on Top: 67.78,60.67 67.78,39.08 64.86,39.08 64.86,60.67
GND on Bottom: 51.78,66.89 51.78,77.69 48.09,77.69 48.09,66.89 32.86,66.89 32.86,51.65 22.06,51.65 22.06,47.97 32.86,47.97 32.86,25.74 -0.04,25.74 -0.04,0.09 99.78,-0.04 99.78,25.87 67.4,25.87 67.4,48.22 77.81,48.22 77.81,51.52 67.4,51.52 67.4,66.89
GND on In1.Cu, In2.Cu: 0,85.12 14.75,85.12 14.75,100 100.04,100.04 100,0 0,0
GNDBATT on Top: 67.15,12.66 85.43,12.66 85.43,-0.04 72.73,-0.04 72.73,5.3 67.15,5.3
/PowerStage/ExtVCC on Top: 89.12,25.24 89.12,29.55 90.51,29.55 90.51,38.95 92.16,38.95 92.16,28.03 90.77,28.03 90.77,25.24
VHIGH on Top: 46.32,54.95 46.32,56.35 44.28,56.35 44.28,54.95
